# KiCad board tekskey-rounded-half.kicad_pcb (continued)
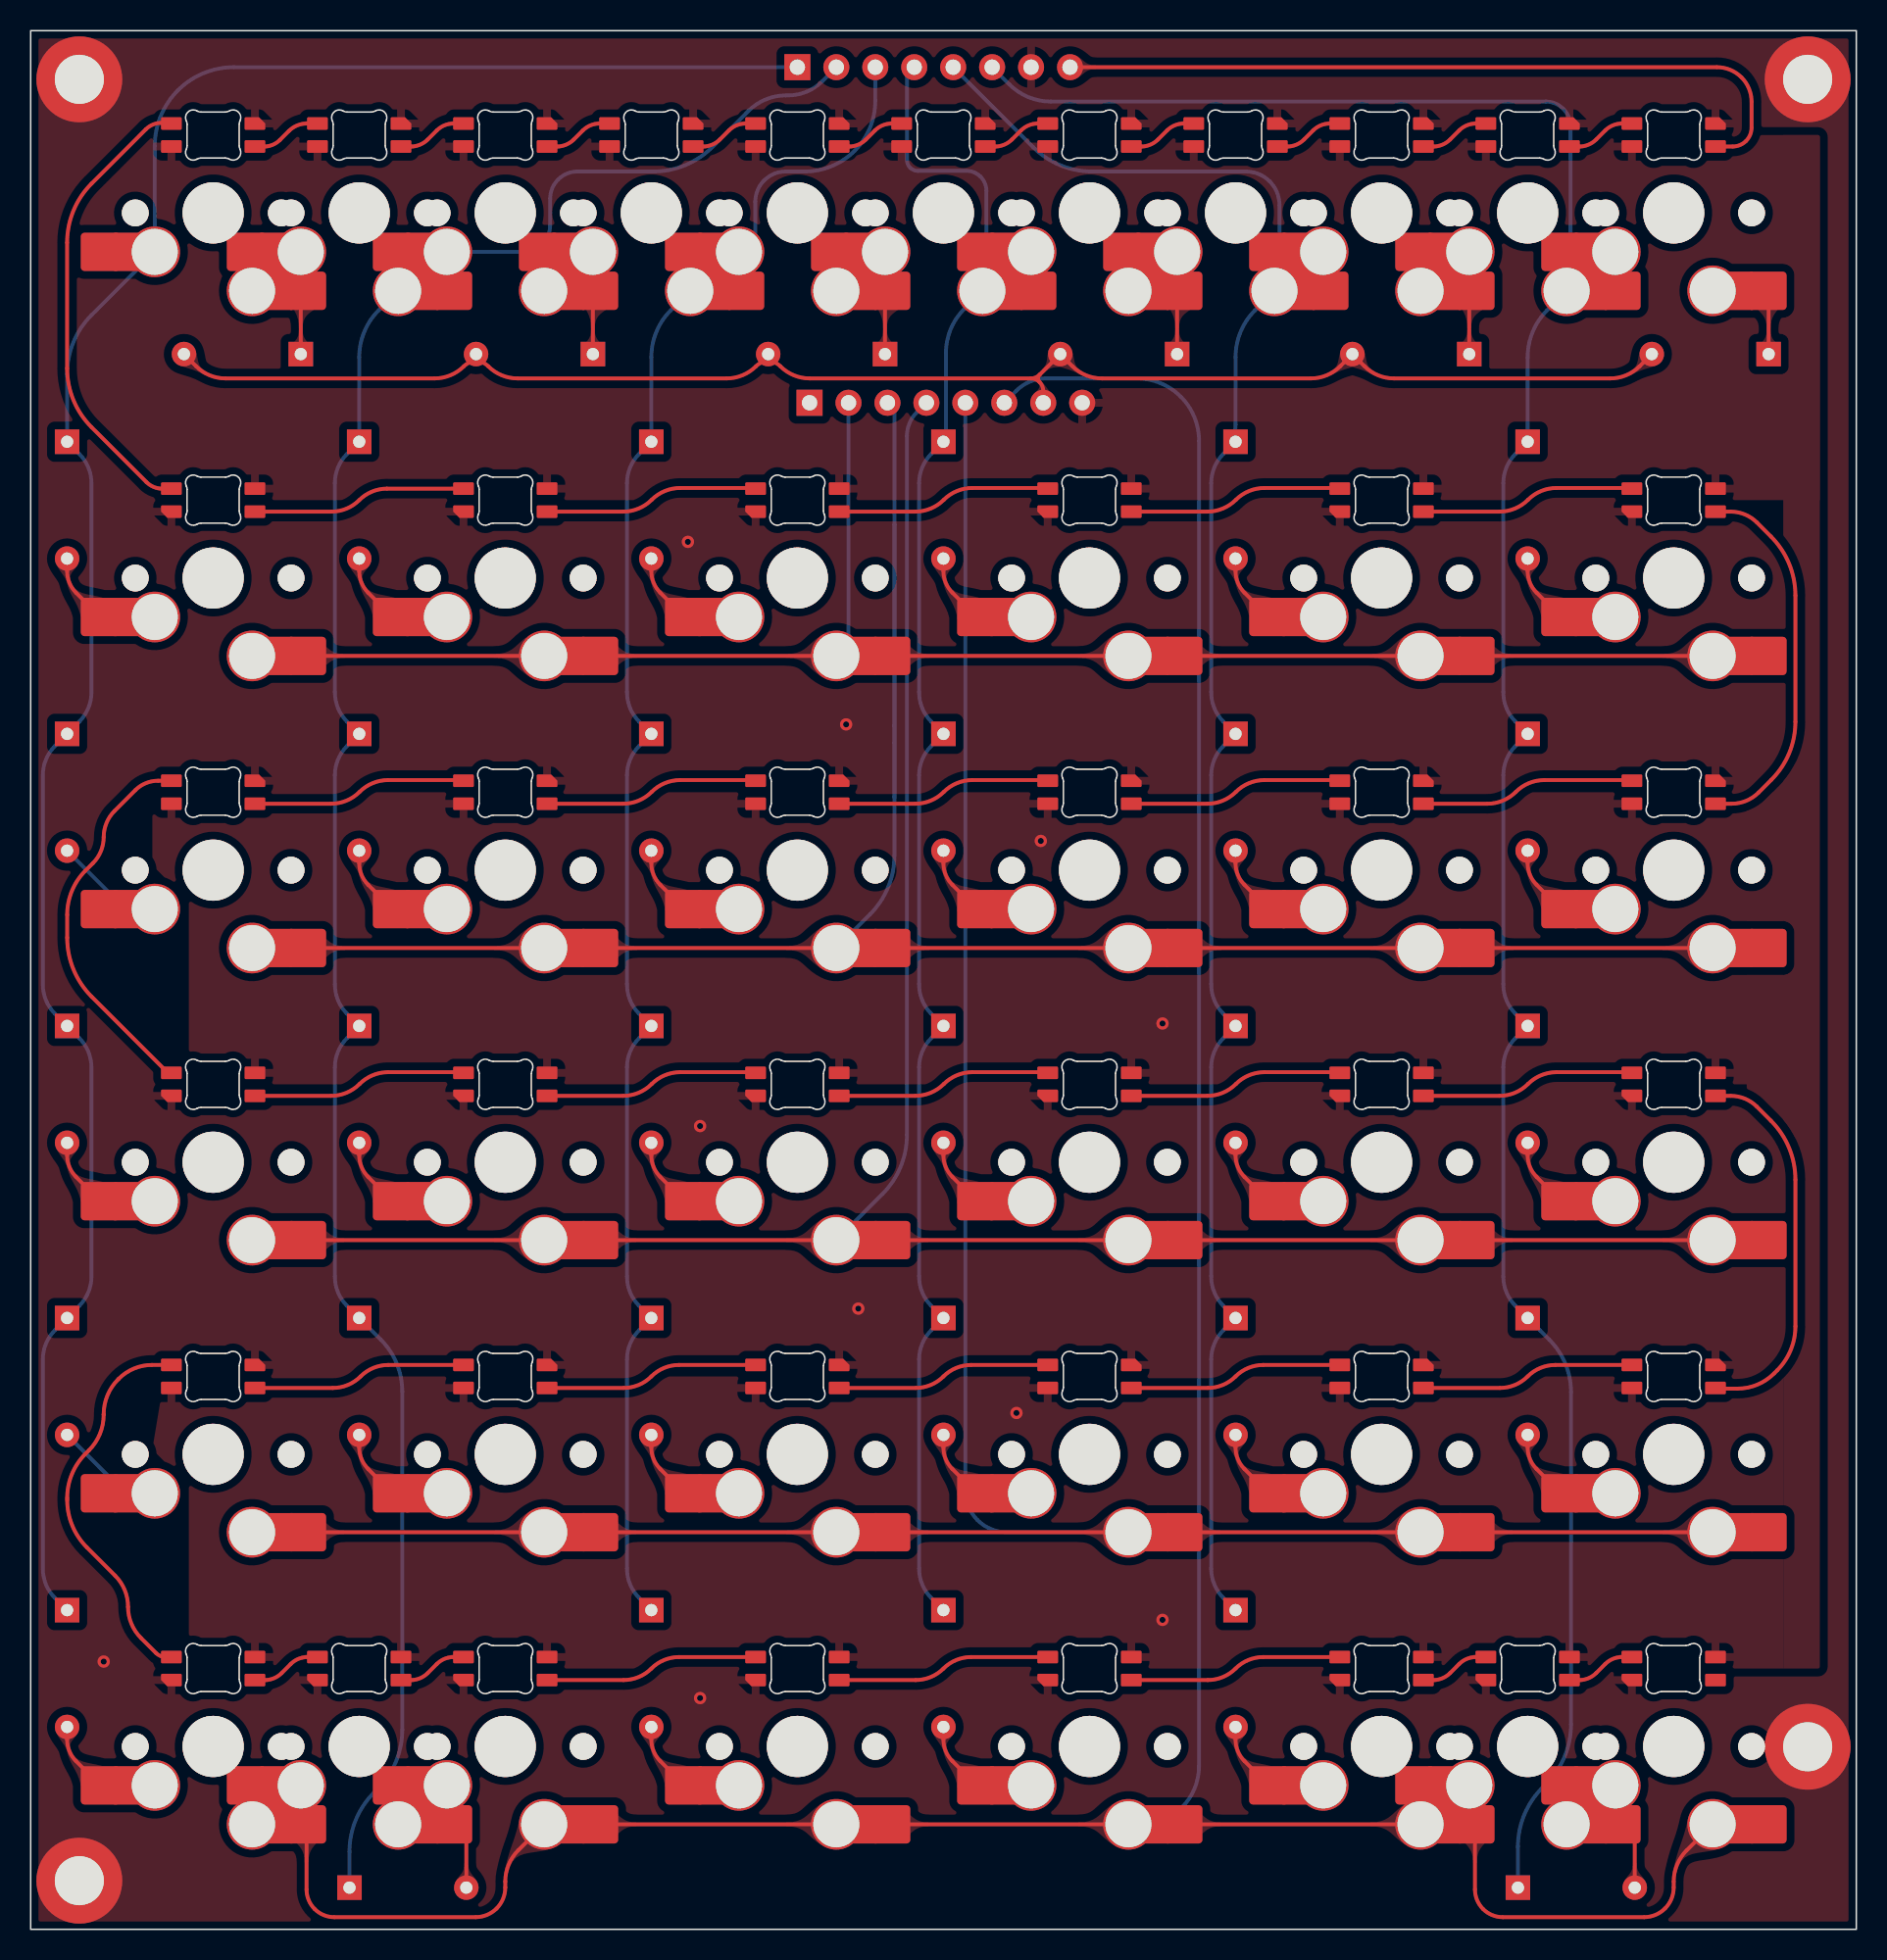
[diagram p0: board, top side]
## Copper pours and planes (outline as drawn; the poured copper is in the pictures) (continued)
Net-(D132-Pad2) on Top: 25.11,7.85 25.34,7.62 25.52,7.41 25.67,7.22 25.8,7.05 25.92,6.89 26.02,6.73 26.14,6.57 26.26,6.4 26.41,6.22 26.59,6.01 28.1,6.61 27.44,8.09 27.24,8.08 27.06,8.07 26.89,8.06 26.74,8.07 26.59,8.09 26.44,8.13 26.3,8.19 26.15,8.28 25.99,8.4 25.82,8.56
Net-(D132-Pad2) on Top: 28.29,4.31 28.28,4.12 28.25,3.97 28.21,3.84 28.15,3.73 28.09,3.64 28.02,3.54 27.94,3.45 27.85,3.34 27.77,3.22 27.69,3.07 28.41,2.32 29.13,3.07 29.05,3.22 28.97,3.34 28.89,3.45 28.81,3.54 28.73,3.64 28.67,3.73 28.62,3.84 28.57,3.97 28.55,4.12 28.54,4.31
Net-(D132-Pad2) on Bottom: 26.2,9.26 25.91,9 25.64,8.82 25.38,8.7 25.13,8.64 24.89,8.61 24.64,8.59 24.37,8.58 24.09,8.56 23.77,8.51 23.43,8.41 23.38,6.26 25.53,6.31 25.62,6.65 25.68,6.97 25.7,7.25 25.71,7.52 25.73,7.77 25.76,8.02 25.82,8.26 25.94,8.52 26.12,8.79 26.38,9.09
Net-(D132-Pad2) on Bottom: 24.62,7.33 24.89,7.56 25.14,7.72 25.38,7.82 25.61,7.86 25.84,7.86 26.08,7.83 26.33,7.8 26.6,7.76 26.9,7.74 27.24,7.74 27.86,9.79 25.79,10.33 25.59,10 25.45,9.7 25.36,9.43 25.29,9.16 25.23,8.9 25.17,8.65 25.07,8.39 24.93,8.11 24.73,7.82 24.45,7.5
Net-(D133-Pad2) on Top: 40.75,11.65 40.7,11.81 40.68,11.95 40.69,12.07 40.73,12.18 40.79,12.28 40.86,12.37 40.94,12.48 41.03,12.58 41.12,12.71 41.2,12.85 40.48,13.6 39.76,12.85 39.84,12.69 39.92,12.55 39.99,12.43 40.07,12.33 40.14,12.23 40.21,12.13 40.28,12.02 40.36,11.89 40.44,11.74 40.52,11.55
Net-(D133-Pad2) on Top: 40.38,12.05 40.46,11.64 40.55,11.3 40.66,11.02 40.78,10.78 40.9,10.56 41.02,10.34 41.14,10.11 41.24,9.86 41.33,9.56 41.41,9.19 43.08,8.95 43.05,10.57 42.7,10.67 42.36,10.75 42.04,10.81 41.74,10.88 41.47,10.95 41.23,11.06 41.02,11.21 40.85,11.42 40.71,11.71 40.62,12.09
Net-(D134-Pad2) on Top: 59.8,11.65 59.75,11.81 59.73,11.95 59.74,12.07 59.78,12.18 59.84,12.28 59.91,12.37 59.99,12.48 60.08,12.58 60.17,12.71 60.25,12.85 59.53,13.6 58.81,12.85 58.89,12.69 58.97,12.55 59.04,12.43 59.12,12.33 59.19,12.23 59.26,12.13 59.33,12.02 59.41,11.89 59.49,11.74 59.57,11.55
Net-(D134-Pad2) on Top: 59.43,12.05 59.51,11.64 59.6,11.3 59.71,11.02 59.83,10.78 59.95,10.56 60.07,10.34 60.19,10.11 60.29,9.86 60.38,9.56 60.46,9.19 62.13,8.95 62.1,10.57 61.75,10.67 61.41,10.75 61.09,10.81 60.79,10.88 60.52,10.95 60.28,11.06 60.07,11.21 59.9,11.42 59.76,11.71 59.67,12.09
Net-(D135-Pad2) on Top: 78.85,11.65 78.8,11.81 78.78,11.95 78.79,12.07 78.83,12.18 78.89,12.28 78.96,12.37 79.04,12.48 79.13,12.58 79.22,12.71 79.3,12.85 78.58,13.6 77.86,12.85 77.94,12.69 78.02,12.55 78.09,12.43 78.17,12.33 78.24,12.23 78.31,12.13 78.38,12.02 78.46,11.89 78.54,11.74 78.62,11.55
Net-(D135-Pad2) on Top: 78.48,12.05 78.56,11.64 78.65,11.3 78.76,11.02 78.88,10.78 79,10.56 79.12,10.34 79.24,10.11 79.34,9.86 79.43,9.56 79.51,9.19 81.18,8.95 81.15,10.57 80.8,10.67 80.46,10.75 80.14,10.81 79.84,10.88 79.57,10.95 79.33,11.06 79.12,11.21 78.95,11.42 78.81,11.71 78.72,12.09
Net-(D136-Pad2) on Top: 102.2,8.38 101.97,8.62 101.78,8.82 101.63,9.01 101.51,9.18 101.39,9.34 101.28,9.5 101.17,9.66 101.05,9.83 100.9,10.02 100.72,10.22 99.21,9.62 99.87,8.14 100.07,8.15 100.25,8.17 100.42,8.17 100.57,8.17 100.72,8.15 100.86,8.11 101.01,8.05 101.16,7.96 101.32,7.83 101.49,7.68
Net-(D136-Pad2) on Top: 104.49,4.31 104.48,4.12 104.45,3.97 104.41,3.84 104.35,3.73 104.29,3.64 104.22,3.54 104.14,3.45 104.05,3.34 103.97,3.22 103.89,3.07 104.61,2.32 105.33,3.07 105.25,3.22 105.17,3.34 105.09,3.45 105.01,3.54 104.93,3.64 104.87,3.73 104.82,3.84 104.77,3.97 104.75,4.12 104.74,4.31
Net-(D136-Pad2) on Top: 101.31,7.85 101.54,7.62 101.72,7.41 101.87,7.22 102,7.05 102.12,6.89 102.22,6.73 102.34,6.57 102.46,6.4 102.61,6.22 102.79,6.01 104.3,6.61 103.64,8.09 103.44,8.08 103.26,8.07 103.09,8.06 102.94,8.07 102.79,8.09 102.64,8.13 102.5,8.19 102.35,8.28 102.19,8.4 102.02,8.56
Net-(D136-Pad2) on Bottom: 102.4,9.26 102.11,9 101.84,8.82 101.58,8.7 101.33,8.64 101.09,8.61 100.84,8.59 100.57,8.58 100.29,8.56 99.97,8.51 99.63,8.41 99.58,6.26 101.73,6.31 101.82,6.65 101.88,6.97 101.9,7.25 101.91,7.52 101.93,7.77 101.96,8.02 102.02,8.26 102.14,8.52 102.32,8.79 102.58,9.09
Net-(D136-Pad2) on Bottom: 100.82,7.33 101.09,7.56 101.34,7.72 101.58,7.82 101.81,7.86 102.04,7.86 102.28,7.83 102.53,7.8 102.8,7.76 103.1,7.74 103.44,7.74 104.06,9.79 101.99,10.33 101.79,10 101.65,9.7 101.56,9.43 101.49,9.16 101.43,8.9 101.37,8.65 101.27,8.39 101.13,8.11 100.93,7.82 100.65,7.5

Small or netless copper shapes (teardrops, artwork), in the pictures only: 85 on Top
